# Allegro board MB1248D.brd (continued)
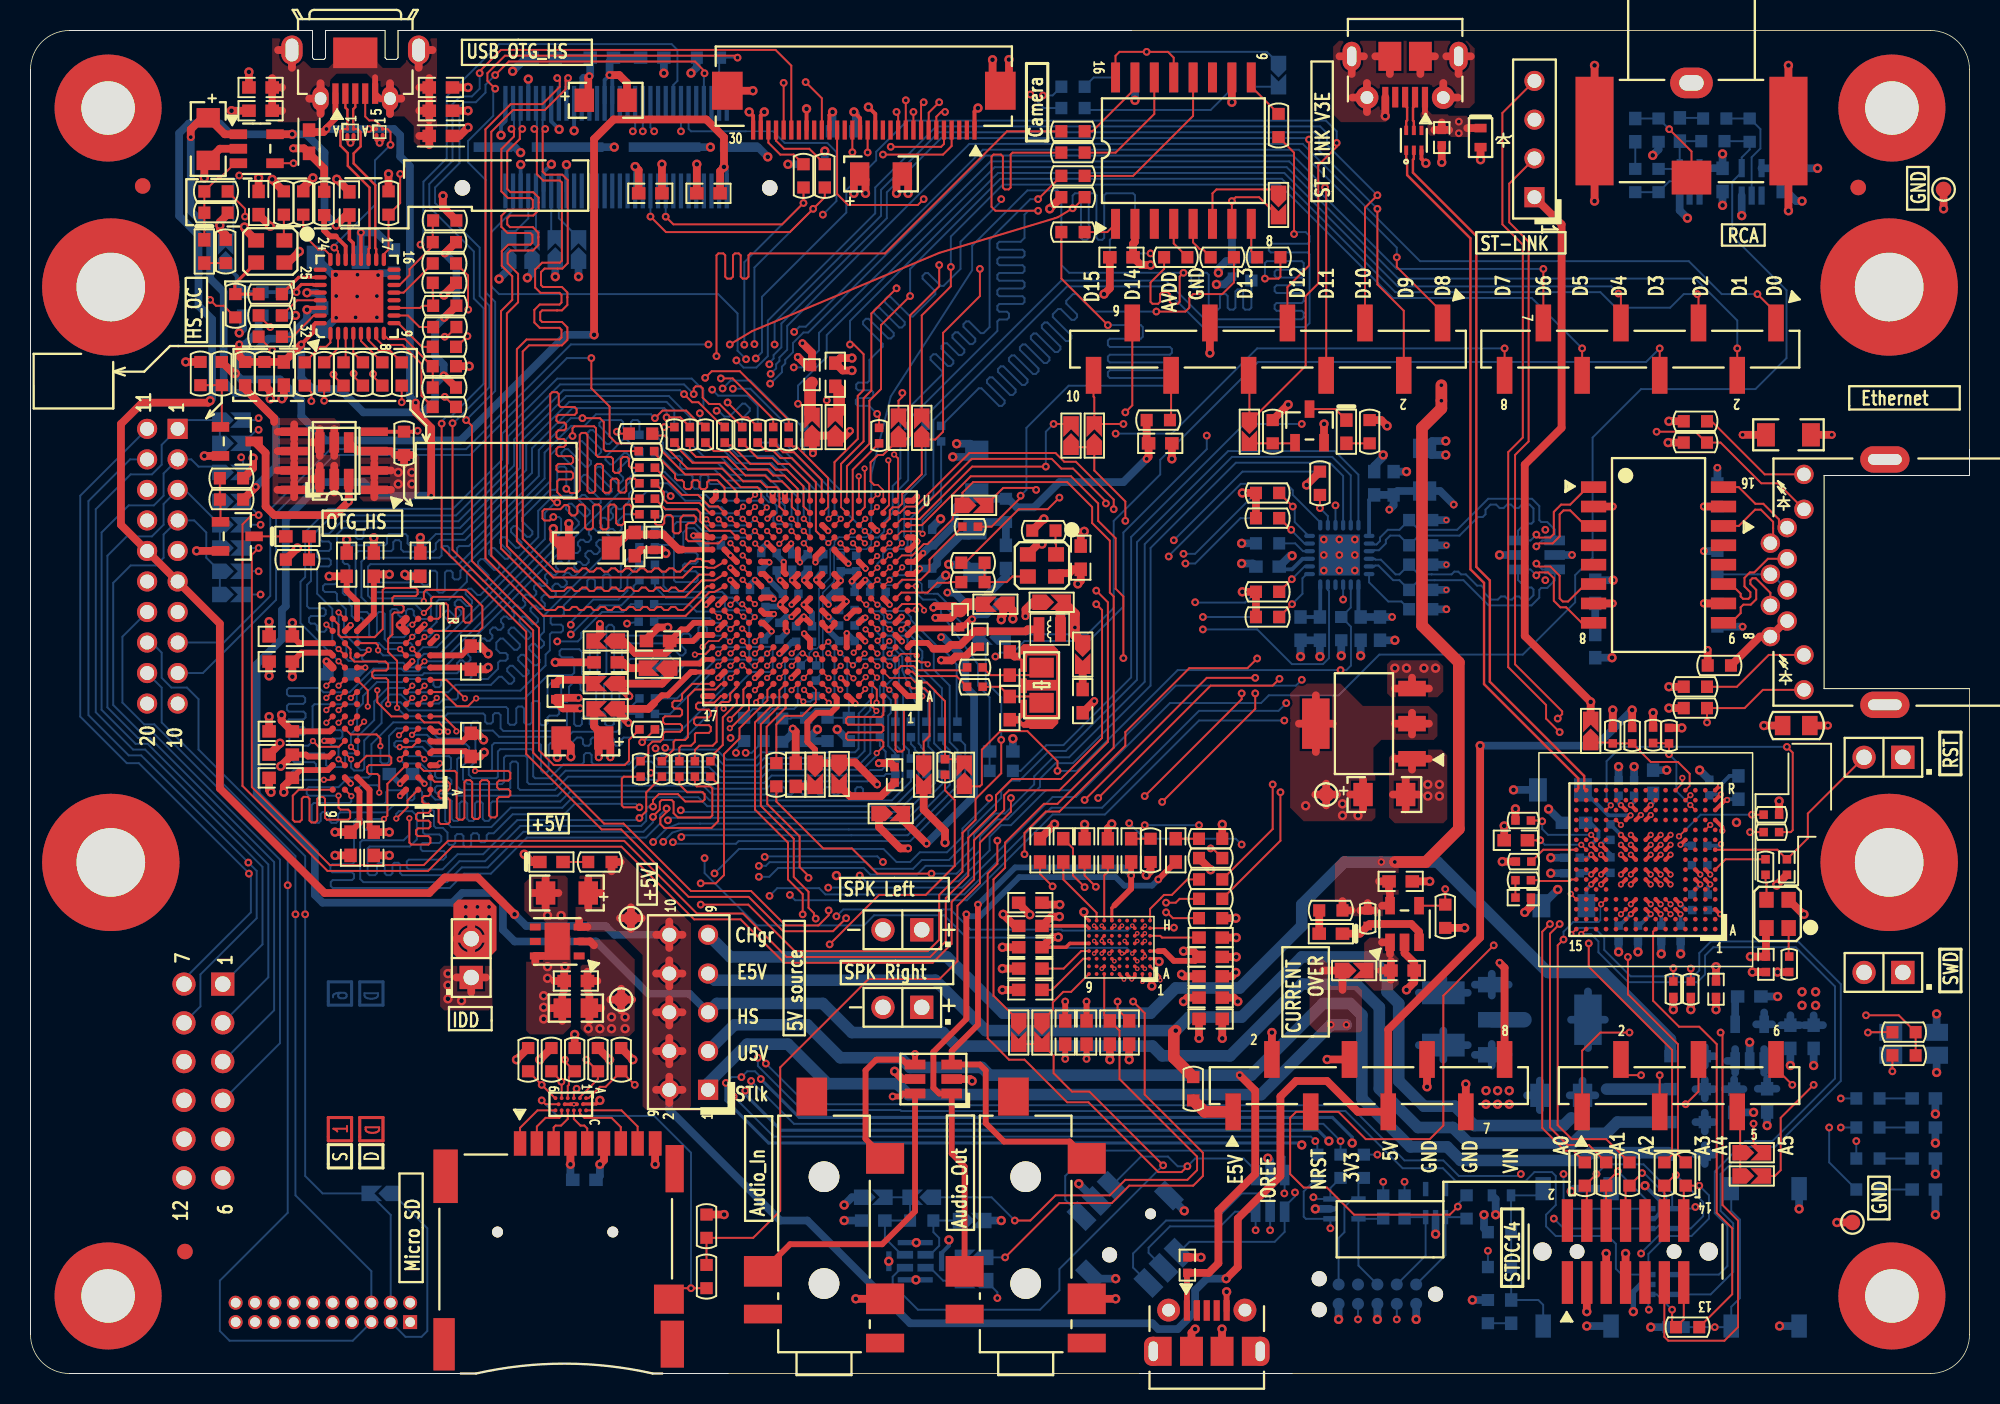
[diagram p0: board, top side]
## Routing (per net, layer and track width the routed paths; a pad name or vN(x,y) marks a point on that pad's centre or on a via; arc(x,y) is an arc through that point) (continued)
  BOTTOM w0.127: v1(45.33,64.54) 45.85,65.06 47.15,65.06 49.72,62.5 50.07,62.5 50.55,62.02 R142.2
PH6: length 42.2
  TOP w0.127: v2(20.18,44.27) 20.57,44.65 U7.J8 ; R48.2 v1(41.51,62.02)
  L4_SIG w0.102: v1(41.51,62.02) 41.71,62.22 42.02,62.22 42.12,62.32 42.12,63.13 42.02,63.23 38.84,63.23 37.62,62.02 37.62,59.75 37.52,59.64 36.78,59.64 36.68,59.54 36.68,59.34 36.78,59.24 37.52,59.24 37.62,59.14 37.62,58.93 37.52,58.83 36.78,58.83 36.68,58.73 36.68,58.53 36.78,58.42 37.52,58.42 37.62,58.32 37.62,58.12 37.52,58.02 36.78,58.02 36.68,57.92 36.68,57.71 36.78,57.61 37.52,57.61 37.62,57.51 37.62,57.14 34.32,53.84 29.9,53.84 26.29,50.23 23.65,50.23 20.53,47.11 20.53,46.35 19.82,45.63 19.82,44.63 v2(20.18,44.27)
PH7: length 9.7
  TOP w0.127: R47.2 40.85,61.46 41.53,61.46 41.7,61.29 41.7,60.64 41.75,60.59 41.75,60.58 43.03,59.3 45.3,59.3 46.52,58.08 47.6,58.08 47.86,57.82 U6.U13
PI4: length 51.8
  TOP w0.127: v2(55.4,43.42) 55.06,43.76 55.06,43.86 55.05,43.87 55.05,44.38 U6.A4 ; v2(22.92,41.11) 22.92,41.62 22.66,41.87 20.97,41.87 U7.F8
  BOTTOM w0.127: v2(55.4,43.42) 55.4,43.4 55.39,43.38 55.39,43.31 55.01,42.93 55.01,40.63 54.32,39.94 48.23,39.94 47.74,39.46 45.27,39.46 44.61,40.12 41.18,40.12 40.82,40.48 39.76,40.48 39.2,39.92 36.88,39.92 36.75,40.04 36.75,40.53 36.62,40.65 36.37,40.65 36.24,40.53 36.24,40.04 36.12,39.92 34.9,39.92 33.99,39 33.05,39 32.92,39.13 32.92,40.78 32.8,40.91 30.76,40.91 30.61,40.76 30.61,39.1 30.51,39 28.94,39 28.71,39.23 28.71,39.66 29.14,40.1 29.14,41.49 29.01,41.62 26.7,41.62 26.05,42.27 23.98,42.27 23.48,41.78 23.48,40.1 23.36,39.97 23.04,39.97 22.92,40.1 v2(22.92,41.11)
PI5: length 52.4
  TOP w0.127: v2(55.42,40.65) 55.86,41.09 55.86,41.37 55.73,41.5 53.55,41.5 53.42,41.62 53.42,41.88 53.55,42.01 55.73,42.01 55.86,42.13 55.86,42.39 55.73,42.51 53.55,42.51 53.42,42.64 53.42,42.89 53.55,43.02 55.73,43.02 55.86,43.15 U6.A3 ; U7.F2 v2(24.98,41.85)
  BOTTOM w0.127: v2(24.98,41.85) 25.96,41.85 26.57,41.24 28.53,41.24 28.73,41.04 28.73,40.25 28.33,39.84 28.33,38.93 28.63,38.62 30.88,38.62 31.01,38.75 31.01,40.35 31.14,40.48 32.41,40.48 32.53,40.35 32.53,38.75 32.66,38.62 34.17,38.62 35.04,39.5 39.36,39.5 39.96,40.1 40.66,40.1 41.02,39.74 44.45,39.74 45.11,39.08 47.9,39.08 48.38,39.56 54.48,39.56 55.42,40.51 v2(55.42,40.65)
PI8: length 58.8
  TOP w0.102: U6.E4 v2(55.47,47.18)
  TOP w0.127: v1(64.22,37.71) 64.22,36.82 62.18,34.79 62.18,32.12 60.71,30.65 60.71,27.01 59.54,25.85 54.89,25.85 49.1,20.05 49.1,10.66 47.34,8.89 R121.1 R122.1
  L4_SIG w0.102: v1(64.22,37.71) 63.07,38.85 63.02,38.85 61.07,40.81 61.07,44.59 59.95,45.71 58.42,45.71 58.39,45.74 58.34,45.74 57.28,46.8 55.85,46.8 v2(55.47,47.18)
PI11: length 68.8
  TOP w0.102: U6.F4 v2(54.69,48.76)
  TOP w0.127: R28.2 v1(15.83,67.04)
  L4_SIG w0.102: v1(15.83,67.04) 17.28,63.44 17.99,62.73 22.64,62.73 25.86,65.95 25.86,68.7 26.78,69.61 27.59,69.61 28.25,70.27 51.11,70.27 53.24,68.14 53.24,65.5 53.52,65.21 53.52,62.27 53.24,61.98 53.24,58.94 51.52,57.22 51.52,54.04 52.71,51.73 53.33,51.21 53.83,50.71 54.31,49.37 v2(54.69,48.76)
PI12: length 90.1
  TOP w0.127: v2(57.99,50.05) 57.93,49.99 U6.H1
  L4_SIG w0.102: v1(118.57,18.02) 119,17.59 119,15.94 118.45,15.38 108.16,15.38 106.92,16.63 90.76,16.63 89.62,17.77 84.28,17.77 82.12,19.93 82.12,33.14 71.2,44.06 71.2,45.96 70.69,46.47 70.69,47.72 68.05,50.36 60.71,50.36 59.44,49.09 59.08,49.09 58.55,49.62 58.4,49.62 57.99,50.03 v2(57.99,50.05)
  BOTTOM w0.127: R203.1 v1(118.57,18.02)
PI13: length 88
  TOP w0.127: v2(58.52,50) 58.52,50.13 58.23,50.42 57.09,50.42 U6.H2
  L4_SIG w0.102: v1(118.57,16.12) 118.14,15.69 108.29,15.69 106.97,17.01 90.89,17.01 89.74,18.15 84.41,18.15 82.43,20.13 82.43,33.34 71.58,44.18 71.58,46.09 71.07,46.6 71.07,47.82 68.23,50.66 58.88,50.66 58.52,50.3 v2(58.52,50)
  BOTTOM w0.127: R204.1 v1(118.57,16.12)
PI14: length 92.1
  TOP w0.102: v2(56.27,49.6) 56.25,49.6 U6.H3
  L4_SIG w0.102: v2(56.27,49.6) 56.82,50.15 57.23,50.15 58.25,49.14 58.6,49.14 58.96,48.78 59.57,48.78 60.84,50.05 67.92,50.05 70.31,47.67 70.31,46.34 70.82,45.84 70.82,43.93 80.47,34.28 80.47,18.66 81.74,17.39 89.49,17.39 90.63,16.24 106.87,16.24 108.19,14.92 119.28,14.92 v1(119.59,15.23)
  BOTTOM w0.127: R205.1 v1(119.59,15.23)
PI15: length 105.1
  TOP w0.102: v2(54.65,54.4) U6.P5
  L4_SIG w0.102: v2(54.65,54.4) 55,54.76 55,55.35 54.79,55.56 54.61,55.56 54.32,55.85 54.32,56.95 55.5,58.13 56.49,58.13 60.08,61.71 61.57,61.71 61.96,61.33 70.06,61.33 77.32,54.07 77.32,42 86.19,33.14 86.19,26.53 90.63,22.09 96.22,22.09 97.11,21.2 115.14,21.2 115.91,20.44 115.91,18.02 v1(117.81,16.12)
  BOTTOM w0.127: v1(117.81,16.12) 117.81,13.83 R209.1
PJ0: length 54.1
  TOP w0.102: U6.N6 v2(53.05,54.4)
  TOP w0.127: CN6.8 v1(96.55,67.17)
  L4_SIG w0.102: v2(53.05,54.4) 53.53,53.91 54.01,53.91 54.26,54.17 54.26,55.28 53.93,55.61 53.93,57.01 55.45,58.54 56.29,58.54 59.85,62.09 61.8,62.09 62.18,61.71 70.95,61.71 v1(71.07,61.58)
  BOTTOM w0.127: v1(96.55,67.17) 80.35,67.17 74.76,61.58 v1(71.07,61.58)
PJ1: length 65.5
  TOP w0.102: U6.P6 v2(53.85,55.18)
  TOP w0.127: R7.1 14.05,76.32 v1(14.05,75.81)
  L4_SIG w0.102: v2(53.85,55.18) 53.68,55.36 53.68,57.25 55.27,58.84 56.16,58.84 57.74,60.42 57.74,68.19 51.01,74.92 24.97,74.92 24.08,74.03 20.66,74.03 20.27,74.41 18.12,74.41 16.72,75.81 v1(14.05,75.81)
PJ2: length 39.7
  TOP w0.102: 53.09,57.87 53.09,56.76 U6.T6
  TOP w0.127: v1(56.72,71.11) 55.07,69.46 55.07,64.41 54.56,63.9 54.56,61.08 53.09,59.61 53.09,57.87
  L4_SIG w0.102: v1(56.72,71.11) v1(51.9,75.93)
  BOTTOM w0.102: 48.63,81.4 46.86,81.4
  BOTTOM w0.127: 48.63,81.4 49.4,80.63 52.19,80.63 52.79,80.04 52.79,76.82 v1(51.9,75.93) ; 46.86,81.4 43.26,81.4 43.1,81.55 CN15.49
PJ3: length 76.7
  TOP w0.102: U6.U6 53.46,57.7 53.47,57.71 53.47,57.87
  TOP w0.127: CN6.3 109.25,70.65 v1(109.17,70.73) ; 53.47,57.87 53.47,59.45 54.95,60.92 54.95,63.74 55.71,64.5 55.71,68.7 v1(57.61,70.6)
  BOTTOM w0.127: v1(109.17,70.73) 108.29,70.73 107.4,69.84 103.84,69.84 102.82,70.85 89.39,70.85 81.96,78.28 63.53,78.28 57.61,72.37 v1(57.61,70.6)
PJ4: length 72.7
  TOP w0.127: CN6.5 104.17,70.6 v1(104.01,70.77) ; U6.U7 52.66,59.72 54.18,61.24 54.18,64.06 54.56,64.44 54.56,66.79 53.93,67.43 v1(53.68,67.43)
  BOTTOM w0.127: v1(53.68,67.43) 53.68,68.97 63.37,78.67 82.12,78.67 89.55,71.24 103.54,71.24 v1(104.01,70.77)
PJ5: length 71.2
  TOP w0.102: v2(49.04,55.21) U6.R12
  TOP w0.127: CN5.1 92.49,69.51 89.49,72.51 v1(89.49,73.14)
  L4_SIG w0.102: v2(49.04,55.21) 48.67,54.85 48.1,54.85 47.89,55.05 47.89,56.17 47.63,56.43 47.31,56.43 47.07,56.66 47.07,57.7 50.75,61.39 50.75,62.93 51.03,63.21 51.03,67.65 50.43,68.25 v1(50.02,68.25)
  BOTTOM w0.127: v1(50.02,68.25) 50.36,68.59 50.78,68.59 62.37,80.19 83.08,80.19 89.49,73.78 v1(89.49,73.14)
PJ6: length 77.7
  TOP w0.102: U6.N15 v2(45.85,54.4)
  TOP w0.127: CN5.2 89.95,69.64 88.22,71.36 v1(88.22,76.32)
  L4_SIG w0.102: v1(48.73,67.43) 48.72,67.42 48.72,66.84 49.21,66.35 49.21,65.64 49.53,65.32 49.53,64.33 49.23,64.02 49.23,62.02 45.52,58.31 45.52,56.93 44.71,56.12 44.71,55.54 v2(45.85,54.4)
  BOTTOM w0.127: v1(48.73,67.43) 48.73,68.89 55.71,75.86 55.71,77.56 59.48,81.33 84.09,81.33 84.41,81.01 84.41,80.13 v1(88.22,76.32)
PJ7: length 76
  TOP w0.102: U6.N14 v2(46.65,54.4)
  TOP w0.127: v1(99.09,72.38) CN6.7
  L4_SIG w0.102: v2(46.65,54.4) 46.51,54.4 46.26,54.65 46.26,56.25 46.03,56.48 46.03,57.96 49.84,61.77 49.84,63.77 50.14,64.07 50.14,65.77 v1(49.99,65.93)
  BOTTOM w0.127: v1(49.99,65.93) 50.53,65.93 51.64,67.04 51.64,68.19 62.88,79.43 82.44,79.43 89.49,72.38 v1(99.09,72.38)
PJ8: length 89.3
  TOP w0.102: v2(47.46,54.38) U6.N13
  TOP w0.127: v1(111.79,67.17) CN6.2
  L4_SIG w0.102: v2(47.46,54.38) 47.46,54.68 47.09,55.05 47.09,56.35 47,56.45 46.52,56.45 46.32,56.65 46.32,57.81 50.14,61.64 50.14,63.41 v1(50.27,63.54)
  BOTTOM w0.127: v1(111.79,67.17) 111.79,69 109.05,71.74 89.58,71.74 82.28,79.05 63.15,79.05 52.15,68.05 52.15,66.61 50.27,64.73 v1(50.27,63.54)
PJ9: length 94.7
  TOP w0.102: U6.M14 v2(46.65,53.6)
  TOP w0.127: CN6.1 114.33,69.51 v1(113.11,70.73)
  L4_SIG w0.102: v2(46.65,53.6) 46.28,53.96 45.77,53.96 43.91,55.82 43.91,56.12 44.53,56.74 44.53,58.18 48.62,62.27 48.62,64.3 48.93,64.61 48.93,65.05 v1(48.48,65.5)
  BOTTOM w0.127: v1(48.48,65.5) 48.84,65.86 48.84,66.13 49.05,66.35 49.05,66.58 49.56,67.08 49.56,68.64 61.49,80.57 83.33,80.57 91.01,72.89 108.62,72.89 110.77,70.73 v1(113.11,70.73)
PJ10: length 72.8
  TOP w0.102: U6.L14 v2(46.65,52.8)
  TOP w0.127: CN5.4 84.87,77.64 v1(84.79,77.71)
  L4_SIG w0.102: v1(48.44,64.86) 48.32,64.73 48.32,62.4 43.95,58.03 43.95,56.5 43.64,56.2 43.64,55.72 44.72,54.64 44.72,53.9 45.42,53.2 46.25,53.2 v2(46.65,52.8)
  BOTTOM w0.127: v1(84.79,77.71) 82.69,79.81 62.53,79.81 50.94,68.21 50.63,68.21 49.94,67.53 49.94,66.93 49.43,66.42 49.43,66.19 49.22,65.97 49.22,65.61 48.66,65.06 48.64,65.06 v1(48.44,64.86)
PJ11: length 74.9
  TOP w0.102: U6.K14 v2(46.65,52)
  TOP w0.127: CN5.5 82.33,71.19 83.74,72.6 v1(83.74,80.86)
  L4_SIG w0.102: v1(48.39,66.13) 48.01,65.75 48.01,62.53 43.64,58.16 43.64,56.63 43.36,56.35 43.36,55.56 44.38,54.55 44.38,53.38 45.32,52.44 46.21,52.44 v2(46.65,52)
  BOTTOM w0.127: v1(83.74,80.86) 83.65,80.95 59.64,80.95 56.09,77.4 56.09,75.71 49.18,68.8 49.18,67.24 48.67,66.73 48.67,66.51 48.39,66.23 v1(48.39,66.13)
PJ12: length 110.6
  TOP w0.102: U6.D11 v2(49.05,46.38)
  TOP w0.127: v1(52.28,30.34) 52.28,30.03 51.61,29.36 49.45,29.36 47.2,31.61 43.26,31.61 38.84,36.03 37.57,36.03 32.92,40.67 32.92,48.69 27.64,53.97 v1(27.64,62.27) ; v1(44.15,85.2) 44.14,85.21 44.14,85.35 43.52,85.97 31.32,85.97 v1(30.43,85.08)
  L4_SIG w0.102: v1(52.28,30.34) 52.68,30.74 52.68,32.02 52.28,32.42 52.28,32.88 51.57,33.59 51.57,39.89 51.03,40.43 51.03,42.62 49.46,44.2 49.46,45.96 v2(49.05,46.38)
  BOTTOM w0.127: v1(27.64,62.27) 27.7,62.27 30.05,64.63 30.05,69.97 29.42,70.6 29.42,73.78 26.5,76.7 26.5,77.71 28.1,79.31 28.1,83 28.4,83.3 29.16,83.3 29.8,83.94 29.8,84.44 v1(30.43,85.08) ; v1(44.15,85.2) 44.1,85.16 CN15.53
PJ13: length 125.3
  TOP w0.102: U6.E10 v2(49.85,47.18)
  L4_SIG w0.102: P3.8 11.26,21.77 11.26,19.8 11.89,19.17 13.42,19.17 15.14,17.44 15.14,13.78 18.51,10.41 CN17.12 ; v1(14.27,33.48) 14.86,32.88 17.23,32.88 17.73,32.37 23.32,32.37 25.63,34.69 30.84,34.69 32.26,33.26 41.48,33.26 43.06,34.84 43.06,37.23 42.02,38.27 42.02,38.7 42,38.71 42,42.01 40.72,43.3 40.72,46.06 44.62,49.96 46.88,49.96 47.07,49.77 47.07,49.42 48.75,47.74 49.36,47.74 49.85,47.25 v2(49.85,47.18)
  BOTTOM w0.127: P2.12 6.52,59.9 3.79,57.17 3.79,43.14 6.43,40.5 7.24,40.5 v1(14.27,33.48) 14.81,32.93 14.81,29.83 11.13,26.15 11.13,24.06 P3.8
PJ14: length 122.2
  TOP w0.102: v2(49.86,46.37) 49.86,46.39 U6.D10
  TOP w0.127: v1(26.93,62.24) 26.93,54.14 32.47,48.6 32.47,40.59 37.41,35.65 38.68,35.65 43.1,31.23 47.04,31.23 49.29,28.98 52.57,28.98 v1(53.42,29.83) ; P1.25 49.83,85.7 48.8,86.73 30.82,86.73 29.42,85.33 v1(29.42,85.21)
  L4_SIG w0.102: v1(53.42,29.83) 53.6,30.01 53.6,33.43 52.89,34.14 52.89,40.44 52.35,40.98 52.35,42.51 51.14,43.73 51.14,44.02 50.71,44.44 50.52,44.44 50.25,44.71 50.25,45.98 v2(49.86,46.37)
  BOTTOM w0.127: v1(26.93,62.24) 26.93,62.4 27.25,62.71 27.55,62.71 29.67,64.84 29.67,69.81 29.04,70.44 29.04,73.52 26.12,76.44 26.12,77.94 27.64,79.46 27.64,83.17 28.15,83.68 28.91,83.68 29.42,84.19 v1(29.42,85.21)
PJ15: length 37.7
  TOP w0.102: U6.B10 v2(49.85,44.78)
  TOP w0.127: U12.G3 v3(72.17,29.34)
  L4_SIG w0.102: v2(49.85,44.78) 49.85,44.3 50.69,43.46 50.97,43.46 52.05,42.38 52.05,40.85 52.58,40.32 52.58,34.01 53.29,33.3 53.29,30.47 v1(52.79,29.96)
  BOTTOM w0.127: v1(52.79,29.96) 53.1,30.28 53.23,30.41 60.26,30.41 61.58,29.08 67.52,29.08 67.58,29.02 71.85,29.02 v3(72.17,29.34)
PK0: length 93.7
  TOP w0.102: U6.J14 47.39,50.46 47.4,50.46 v2(47.44,50.42)
  TOP w0.127: CN5.6 79.84,65.36 SB5.2 79.96,62.47 83.52,66.03 83.52,70.6 84.35,71.43 84.35,79.17 85.55,80.38 v1(85.55,80.63)
  L4_SIG w0.102: v2(47.44,50.42) 47.44,51.1 46.97,51.58 45.57,51.58 43.88,53.27 43.88,53.77 43.06,54.6 43.06,56.5 43.34,56.78 43.34,58.28 47.71,62.65 47.71,66.07 47.5,66.27 v1(47.5,66.51)
  BOTTOM w0.127: v1(47.5,66.51) 47.91,66.92 47.91,70.55 53.43,76.07 53.43,77.54 55.39,79.49 55.39,80.06 57.43,82.09 84.85,82.09 85.55,81.4 v1(85.55,80.63)
PK1: length 82.7
  TOP w0.102: U6.J15 v2(45.85,50.38)
  TOP w0.127: v1(88.22,77.2) 87.41,76.39 CN5.3
  L4_SIG w0.102: v2(45.85,50.38) 43.15,53.07 43.15,53.49 42.25,54.4 42.25,56.73 42.68,57.16 42.68,58.61 42.68,58.87 45.6,61.79 45.94,61.79 47.07,62.92 47.07,65.39 46.56,65.9 46.56,66.05 v1(46.23,66.38)
  BOTTOM w0.127: v1(88.22,77.2) 84.92,80.51 84.92,81.27 84.47,81.71 59.33,81.71 55.33,77.71 55.33,76.02 48.29,68.99 48.29,66.66 47.54,65.91 46.7,65.91 v1(46.23,66.38)
PK2: length 78.1
  TOP w0.102: v2(45.09,49.56) U6.H17
  L4_SIG w0.102: v1(80.24,9.39) 80.24,9.82 73.88,16.18 55.5,16.18 53.6,18.09 53.6,28.41 51.67,30.34 51.67,32.6 50.96,33.31 50.96,39.64 50.09,40.51 50.09,41.54 50.42,41.87 50.42,42.37 48.6,44.19 48.6,47.32 46.74,49.19 45.46,49.19 v2(45.09,49.56)
  BOTTOM w0.127: v1(80.24,9.39) D9.6 78.89,10.6 77.93,9.64 74.63,9.64 73.23,8.24 73.23,7.9 B3.2
PK3: length 76.1
  TOP w0.102: U6.C8 v2(52.27,45.58)
  L4_SIG w0.102: v1(81.19,9.39) 74.09,16.49 55.63,16.49 53.98,18.14 53.98,29.84 54.74,30.6 54.74,33.15 53.5,34.39 53.5,41.75 53.62,41.88 53.62,42.53 52.86,43.3 52.58,43.3 52.41,43.46 52.27,43.46 51.92,43.81 51.92,45.23 v2(52.27,45.58)
  BOTTOM w0.127: 73.22,5.93 72.22,6.94 72.22,7.86 74.38,10.02 77.55,10.02 79.33,11.8 80.98,11.8 81.19,11.59 D9.5 v1(81.19,9.39)
PK4: length 67
  TOP w0.102: v2(52.28,44.77) U6.B8
  L4_SIG w0.102: v2(52.28,44.77) 53.86,43.19 53.86,43.19 54.23,42.81 54.23,41.62 54.11,41.5 54.11,34.65 55.35,33.4 55.35,30.35 54.59,29.59 54.59,23.48 56.23,21.83 71.71,21.83 81.11,12.43 82.25,12.43 v1(82.82,11.86)
  BOTTOM w0.127: B3.1 75.91,8.62 81.49,8.62 82.14,9.28 D9.4 82.14,10.93 82.82,11.61 v1(82.82,11.86)
PK5: length 79.3
  TOP w0.127: v2(52.29,43.95) 52.25,43.99 52.25,44 U6.A8
  L4_SIG w0.102: v2(52.29,43.95) 52.67,43.95 53.93,42.69 53.93,41.75 53.8,41.62 53.8,34.52 55.05,33.28 55.05,30.48 54.28,29.71 54.28,18.27 55.76,16.79 76.11,16.79 81.11,11.8 v1(82.12,11.8)
  BOTTOM w0.127: B3.4 67.77,11.38 67.77,12.94 69.43,14.6 81.73,14.6 82.14,14.19 D9.3 82.14,11.82 v1(82.12,11.8)
PK6: length 58.8
  TOP w0.102: v2(53.07,46.37) 53.04,46.37 U6.C7
  TOP w0.127: v1(63.33,34.91) 63.33,33.39 62.69,32.75 62.69,21.96 64.09,20.56 65.11,20.56 67.9,17.77 69.3,17.77 73.87,13.2 75.39,13.2 v1(75.77,13.58)
  L4_SIG w0.102: v2(53.07,46.37) 53.5,45.94 53.5,45.23 54.44,44.29 54.9,44.29 55.18,44.57 55.71,44.57 58.22,42.05 58.22,40.02 v1(63.33,34.91)
  BOTTOM w0.127: B3.6 72.73,14.21 74.5,14.21 75.14,13.58 v1(75.77,13.58) 76.28,14.09 79.46,14.09 80.24,13.3 D9.1
PK7: length 55.6
  TOP w0.102: U6.D7 v2(52.25,47.2)
  L4_SIG w0.102: v2(52.25,47.2) 52.25,47.21 51.54,47.92 51.54,49.11 51.44,49.21 48.62,49.21 47.91,49.93 47.38,49.93 47.05,50.26 47.05,50.94 46.89,51.09 45.62,51.09 43.55,53.16 43.55,53.57 42.68,54.45 42.68,56.73 43.03,57.09 43.03,58.45 47.4,62.82 47.4,65.62 46.97,66.05 46.97,66.36 v1(46.87,66.46)
  BOTTOM w0.127: v1(46.87,66.46) 46.31,67.02 46.31,69.46 45.04,70.73 30.69,70.73 30.18,71.24 30.18,74.79 31.6,76.22 CN15.4
PMOD#1: length 50.2
  BOTTOM w0.127: P3.1 15.19,28.12 15.19,33.2 7.51,40.88 6.72,40.88 4.27,43.33 4.27,56.63 6.56,58.92 7.96,58.92 8.59,59.55 8.59,60.85 P2.1 10.21,62.47 SB31.2 SB32.2 12.27,60.82
PMOD#2: length 74.2
  L4_SIG w0.102: CN17.7 20.42,4 20.42,9.49 15.78,14.14 15.78,19.79 P3.2
  BOTTOM w0.127: 12.44,57.22 12.44,58.88 12.4,58.92 SB33.2 12.02,59.42 11,59.42 10.53,59.9 P2.2 8.72,58.98 8.72,57.52 8.08,56.88 6.43,56.88 4.65,55.11 4.65,43.49 6.88,41.26 7.66,41.26 15.58,33.35 15.58,25.96 P3.2
PMOD#3: length 51.9
  BOTTOM w0.127: P3.3 15.96,23.8 15.96,33.51 7.82,41.64 7.04,41.64 5.03,43.65 5.03,53.58 6.3,54.85 7.96,54.85 8.72,55.61 8.72,56.98 P2.3 10.12,57.9 SB35.2 SB36.2
PMOD#4: length 53.9
  BOTTOM w0.127: P3.4 16.34,21.64 16.34,33.67 7.98,42.03 7.19,42.03 5.42,43.8 5.42,51.8 6.56,52.95 8.21,52.95 8.72,53.46 8.72,54.98 P2.4 10.72,55.9 11.51,55.11 11.51,53.46 SB37.2 SB38.2
RD_N: length 22.9
  TOP w0.13: v1(98.63,52.3) 98.83,52.49 99.4,52.49 99.78,52.11 99.78,50.63 100.2,50.2 100.58,50.2 101.6,49.19 U5.8
  BOTTOM w0.13: U18.22 88.04,53.38 88.1,53.32 88.45,53.32 89.41,52.36 89.66,52.36 R167.1 90.93,52.37 91.78,52.37 91.78,52.36 93.08,52.36 93.26,52.54 93.52,52.54 93.69,52.36 94.01,52.36 94.75,51.62 95.02,51.62 95.21,51.44 95.21,51.17 95.66,50.71 96.11,50.71 96.31,50.92 96.57,50.92 96.78,50.71 97.03,50.71 97.24,50.92 97.5,50.92 97.7,50.71 98.16,50.71 98.44,51 98.44,51.37 98.32,51.5 97.92,51.5 97.43,51.99 U17.1 98.25,52.68 v1(98.63,52.3)
RD_P: length 23
  TOP w0.13: U5.6 101.85,51.73 100.71,50.59 100.36,50.59 100.16,50.79 100.16,52.27 99.55,52.87 98.83,52.87 v1(98.63,53.07)
  BOTTOM w0.13: v1(98.63,53.07) 99.02,52.68 U17.6 99.83,51.96 99.34,51.47 98.95,51.47 98.82,51.35 98.82,50.84 98.32,50.33 95.5,50.33 93.85,51.98 91.97,51.98 91.97,51.98 90.93,51.98 R170.1 89.66,51.98 89.25,51.98 88.29,52.94 88.07,52.94 88.01,52.88 U18.23
REFSEL0: length 5.5
  TOP w0.127: R41.1 R30.1 26.3,66 24.52,67.78 23.42,67.78 23.14,68.06 U4.8
REFSEL1: length 4.1
  TOP w0.127: U4.11 25.52,69.83 25.66,69.97 R25.1 26.37,70.69 26.34,70.72 R22.1
REFSEL2: length 5.5
  TOP w0.127: U4.14 24.17,71.33 24.82,71.97 24.82,72.35 26.34,73.88 R16.1 26.34,75.53 R14.1
RESET#: length 14.9
  TOP w0.102: U6.K1 v2(57.99,51.59)
  BOTTOM w0.127: v2(57.99,51.59) 57.99,51.17 58.45,50.71 59.26,50.71 59.63,50.34 59.63,49.83 62.06,46.46 62.06,45.07 62.82,44.31 C120.2 R202.1
STLK_SWCLK: length 107.6
  TOP w0.102: U9.A14 v2(101.57,28.79)
  TOP w0.127: v1(100.03,42.91) 100.32,43.21 100.32,43.39 97.24,46.47 97.24,60.19 98.13,61.08 98.13,74.16 96.86,75.43 96.86,77.97 CN4.2
  L4_SIG w0.102: v1(100.03,42.91) 99.52,42.41 99.52,41.64 100.16,41.01 100.16,36.64 99.4,35.88 99.4,34.79 98.35,33.75 98.35,28.84 99.65,27.55 100.79,27.55 101.57,28.33 v2(101.57,28.79)
  BOTTOM w0.127: D15.4 110.59,6.48 111.14,7.04 111.14,9.67 110.32,10.5 110.32,13.23 112.32,15.23 114.1,15.23 118.19,19.32 118.19,25.36 115.62,27.93 110.22,27.93 109.68,27.39 109.68,26.15 109.17,25.64 104.65,25.64 102.7,27.6 102.7,28.31 102.21,28.79 v2(101.57,28.79)
STLK_SWDIO: length 114.1
  TOP w0.102: U9.A15 v2(100.92,28.79)
  TOP w0.127: v1(100.16,42.03) 99.27,42.91 99.27,43.8 96.79,46.28 96.79,60.37 97.74,61.33 97.74,73.96 96.41,75.3 96.41,82.6 CN4.4
  L4_SIG w0.102: v1(100.16,42.03) 99.86,41.73 100.46,41.14 100.46,36.36 99.7,35.6 99.7,34.66 98.66,33.62 98.66,29.05 99.78,27.93 100.67,27.93 100.92,28.18 v2(100.92,28.79)
  BOTTOM w0.127: v2(100.92,28.79) 100.92,28.82 101.3,29.2 102.44,29.2 103.08,28.56 103.08,27.76 104.81,26.02 108.92,26.02 109.3,26.4 109.3,27.55 110.06,28.31 115.78,28.31 118.57,25.52 118.57,19.17 114.25,14.85 112.48,14.85 110.7,13.07 110.7,10.66 111.53,9.83 111.53,6.66 110.05,5.18 D15.5
STLK_VCP_RX: length 18.5
  TOP w0.102: U9.C10 v2(104.17,30.09)
  TOP w0.127: R221.1 107.9,14.34 107.9,21.58 104.63,24.86 v1(104.63,27.29)
  L4_SIG w0.127: v1(104.63,27.29) 104.63,29.64 v2(104.17,30.09)
STLK_VCP_TX: length 30
  TOP w0.127: R222.2 111.46,5.2 111.46,9.51 110.44,10.53 110.44,21.58 109.3,22.72 107.98,22.72 106.28,24.42 106.28,28.95 U9.A7
T1_D: length 19.5
  TOP w0.508: 19.89,61.88 T3.5 19.89,60.13 ; 19.89,57.73 T3.2 19.89,59.48 ; 16.18,61.71 T4.5 ; T4.5 17.27,62.19 ; T4.5 17.27,61.23 ; T3.6 18.94,61.88 ; T3.6 18.42,61.01 ; T3.6 18.94,60.13 ; 17.27,57.42 T4.8 ; T4.8 16.18,57.9 ; T4.8 17.27,58.38 ; 18.94,57.73 T3.1 ; T3.1 18.42,58.61 ; T3.1 18.94,59.48 ; 16.18,59.17 T4.7 ; T4.7 17.27,58.69 ; T4.7 17.27,59.65 ; 17.27,59.96 T4.6 ; T4.6 16.18,60.44 ; T4.6 17.27,60.92 ; 15.96,62.35 15.96,62.6 14.05,64.5 R33.1
T1_G: length 22.5
  TOP w0.254: v1(25.35,61.77) 25.29,61.71 R58.1 T4.4
  TOP w0.508: T3.3 20.84,57.39 20.85,57.39 v1(20.85,57.14) 19.96,56.25 15.96,56.25 15.4,56.81 15.4,60.32 T2.3
  L4_SIG w0.102: v1(25.35,61.77) 25.29,61.71 23.45,61.71 20.85,59.11 v1(20.85,57.14)
T_NRSTA: length 37.7
  TOP w0.102: U9.P4 v2(108.72,37.89)
  TOP w0.127: R220.1 107.52,14.34 107.52,21.2 102.06,26.66 v1(102.06,28.18)
  L4_SIG w0.102: v2(108.72,37.89) 103.23,37.89 100.41,35.07 100.41,33.9 99.83,33.31 99.32,33.31 98.96,32.96 98.96,29.25 99.27,28.94 100.41,28.94 100.79,29.33 101.55,29.33 102.06,28.82 v1(102.06,28.18)
T_PWR_EN: length 32.3
  TOP w0.102: U9.R5 108.2,38.67 108.2,38.79
  TOP w0.127: v1(92.66,31.74) R107.2 92.59,30.65 U10.4 ; 108.2,38.79 v2(108.2,39.03)
  L4_SIG w0.102: v2(108.2,39.03) 108.2,39.7 107.78,40.12 106.76,40.12 106.25,40.63 103.71,40.63 100.84,43.5 94.32,43.5 93.55,42.74 93.55,32.63 v1(92.66,31.74)
T_PWR_EXT: length 8.5
  TOP w0.102: U9.R4 108.67,38.5 108.67,38.79
  TOP w0.127: SB13.2 103.59,41.34 R84.2 R85.1 106.13,40.07 107.9,40.07 108.67,39.3 108.67,38.79
T_SWCLKA: length 28.1
  TOP w0.102: U9.M11 v2(104.17,35.95)
  TOP w0.127: R218.1 102.06,14.97 100.67,14.97 99.52,16.12 99.52,28.82 v1(100.16,29.45)
  L4_SIG w0.102: v1(100.16,29.45) 100.16,30.98 100.53,31.35 100.53,32.49 101.17,33.14 101.17,35.04 102.08,35.95 v2(104.17,35.95)
T_SWDIO_IN: length 22.2
  TOP w0.102: U9.N12 v2(103.51,37.23)
  TOP w0.127: R96.1 115.3,35.47 115.42,35.6 115.42,40.68 v1(115.04,41.06)
  BOTTOM w0.127: v1(115.04,41.06) 104.17,41.06 103.23,40.12 103.23,37.5 v2(103.51,37.23)
T_SWDIOA: length 37.8
  TOP w0.102: U9.L2 v2(110.02,35.94)
  TOP w0.127: R217.1 101.05,14.59 100.51,14.59 99.01,16.09 99.01,28.94 v1(99.52,29.45) ; R96.2 v1(112.63,35.47)
  L4_SIG w0.102: v1(99.52,29.45) 99.52,31.99 100.84,33.31 100.84,35.22 102.19,36.56 104.22,36.56 104.73,36.06 109.91,36.06 v2(110.02,35.94) 110.94,35.94 111.41,35.47 v1(112.63,35.47)
T_SWOA: length 22.8
  TOP w0.102: U9.D12 v2(102.87,30.74)
  TOP w0.127: v1(100.41,28.44) 100.03,28.06 100.03,16.28 100.95,15.36 103.21,15.36 R219.1
  BOTTOM w0.102: 102.82,29.71 102.82,30.7 v2(102.87,30.74)
  BOTTOM w0.127: v1(100.41,28.44) 100.41,28.94 101.05,29.58 102.7,29.58 102.82,29.71
TD_N: length 23.5
  TOP w0.13: v1(98.63,54.2) 98.83,54.39 99.7,54.39 100.16,54.85 100.16,56.3 100.41,56.55 100.85,56.55 101.86,55.54 U5.3
  BOTTOM w0.13: U18.20 87.95,54.38 88.01,54.32 88.16,54.32 88.39,54.55 88.39,54.78 88.9,55.28 89.66,55.28 R161.1 90.93,55.28 93.44,55.28 95.47,57.32 98.35,57.32 98.82,56.84 98.82,55.92 98.95,55.79 99.34,55.79 99.83,55.3 U17.4 99.02,54.58 v1(98.63,54.2)
TD_P: length 23.5
  TOP w0.13: v1(98.63,54.97) 98.83,54.77 99.54,54.77 99.78,55.01 99.78,56.46 100.25,56.94 100.85,56.94 101.99,58.08 U5.1
  BOTTOM w0.13: v1(98.63,54.97) 98.25,54.58 U17.3 97.43,55.23 97.9,55.69 98.32,55.69 98.44,55.82 98.44,56.68 98.19,56.94 97.69,56.94 97.46,56.71 97.2,56.71 96.97,56.94 96.71,56.94 96.48,56.71 96.23,56.71 96,56.94 95.63,56.94 95.3,56.61 95.3,56.3 95.12,56.12 94.81,56.12 93.6,54.9 90.93,54.9 R164.1 89.66,54.9 89.06,54.9 88.77,54.62 88.77,54.4 88.32,53.94 88.01,53.94 87.95,53.88 U18.21
ULPI_D0: length 69.9
  TOP w0.127: v1(19.84,65.47) 19.84,65.39 R37.2 ; v2(56.56,60.22) 56.82,59.96 56.82,57.35 U6.U2
  L4_SIG w0.102: v2(56.56,60.22) 56.72,60.38 56.72,63.49 56.14,64.07 56.14,68.15 50.72,73.57 39.15,73.57 39,73.43 39,72.76 38.9,72.66 38.7,72.66 38.59,72.76 38.59,73.24 38.49,73.34 29.62,73.34 29.42,73.14 29.42,72.71 29.32,72.61 29.09,72.61 28.99,72.71 28.99,73.55 28.88,73.65 28.68,73.65 28.58,73.55 28.58,72.71 28.48,72.61 28.28,72.61 28.17,72.71 28.17,73.55 28.07,73.65 27.87,73.65 27.77,73.55 27.77,72.71 27.67,72.61 25.3,72.61 24.65,71.96 24.51,71.96 24.29,72.18 24.14,72.18 24,72.04 24,71.9 24.22,71.67 24.22,71.53 24.08,71.38 23.94,71.38 23.51,71.81 23.36,71.81 23.22,71.67 23.22,71.52 23.65,71.1 23.65,70.95 23.47,70.78 23.47,70.63 23.47,68.59 23.32,68.44 19.57,68.44 19.46,68.34 19.46,67.07 19.36,66.97 19.16,66.97 19.06,67.07 19.06,68.31 18.93,68.44 18.62,68.44 18.52,68.34 18.52,65.75 18.67,65.6 19.72,65.6 v1(19.84,65.47)
ULPI_D1: length 69.3
  TOP w0.127: R38.2 21.16,65.34 v1(21.16,65.52) ; U6.U5 54.26,58.74 54.26,58.74 54.26,58.79 v2(54.25,58.79)
  L4_SIG w0.102: v2(54.25,58.79) 54.25,59.72 54.89,60.36 54.89,63.19 55,63.29 55,67.72 51.25,71.46 49.94,71.46 49.81,71.59 49.81,72.35 49.71,72.46 49.52,72.46 49.42,72.35 49.42,71.44 49.31,71.34 49.11,71.34 49.01,71.44 49.01,72.35 48.91,72.46 48.7,72.46 48.6,72.35 48.6,71.44 48.5,71.34 48.3,71.34 48.2,71.44 48.2,72.35 48.09,72.46 47.89,72.46 47.79,72.35 47.79,71.44 47.69,71.34 47.49,71.34 47.38,71.44 47.38,72.35 47.28,72.46 47.08,72.46 46.98,72.35 46.98,71.44 46.88,71.34 46.67,71.34 46.57,71.44 46.57,72.35 46.47,72.46 46.27,72.46 46.16,72.35 46.16,71.44 46.06,71.34 45.86,71.34 45.76,71.44 45.76,72.28 45.66,72.38 45.43,72.38 45.33,72.28 45.33,71.41 45.22,71.31 45.02,71.31 44.92,71.41 44.92,72.28 44.82,72.38 44.61,72.38 44.51,72.28 44.51,71.41 44.41,71.31 44.21,71.31 44.11,71.41 44.11,72.28 44.01,72.38 43.8,72.38 43.7,72.28 43.7,71.41 43.6,71.31 43.4,71.31 43.29,71.41 43.29,72.23 43.19,72.33 40.34,72.33 39.25,71.24 28.2,71.24 27.94,71.49 25.81,71.49 24.67,70.35 24.67,66.82 22.76,64.91 21.77,64.91 v1(21.16,65.52)
